# Altium PCB Atlas-Pi.PcbDoc (part 1 of 3) (continued)
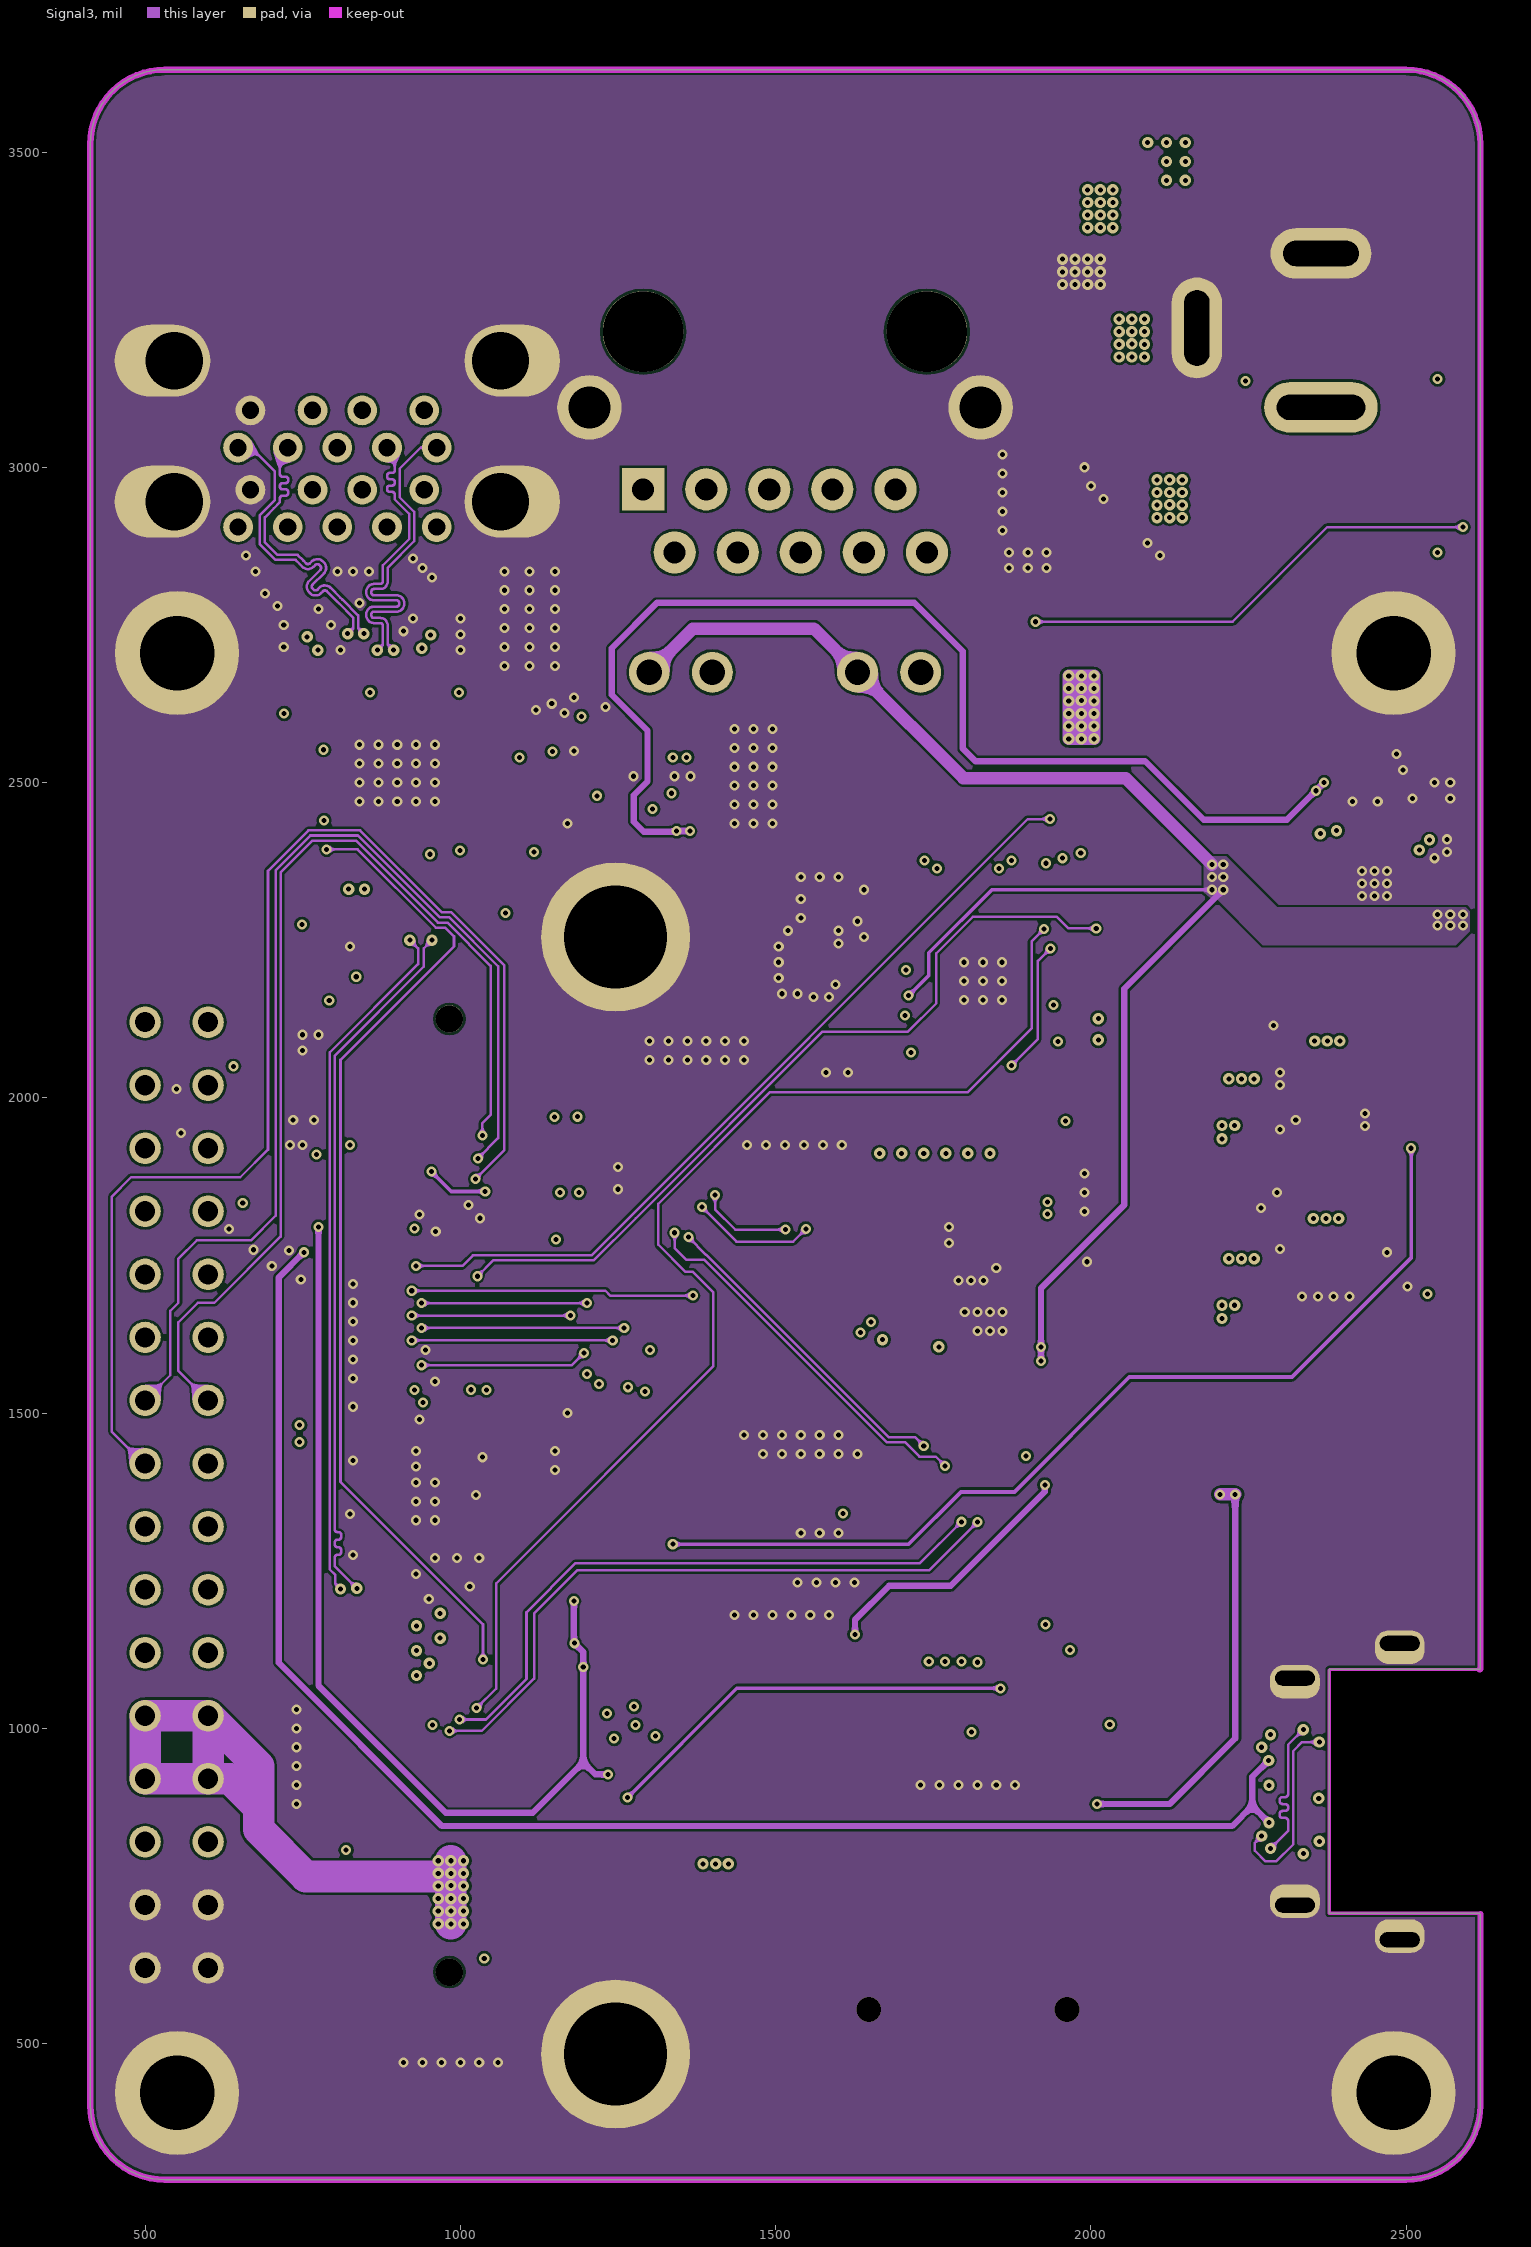
[diagram p3: Signal3]
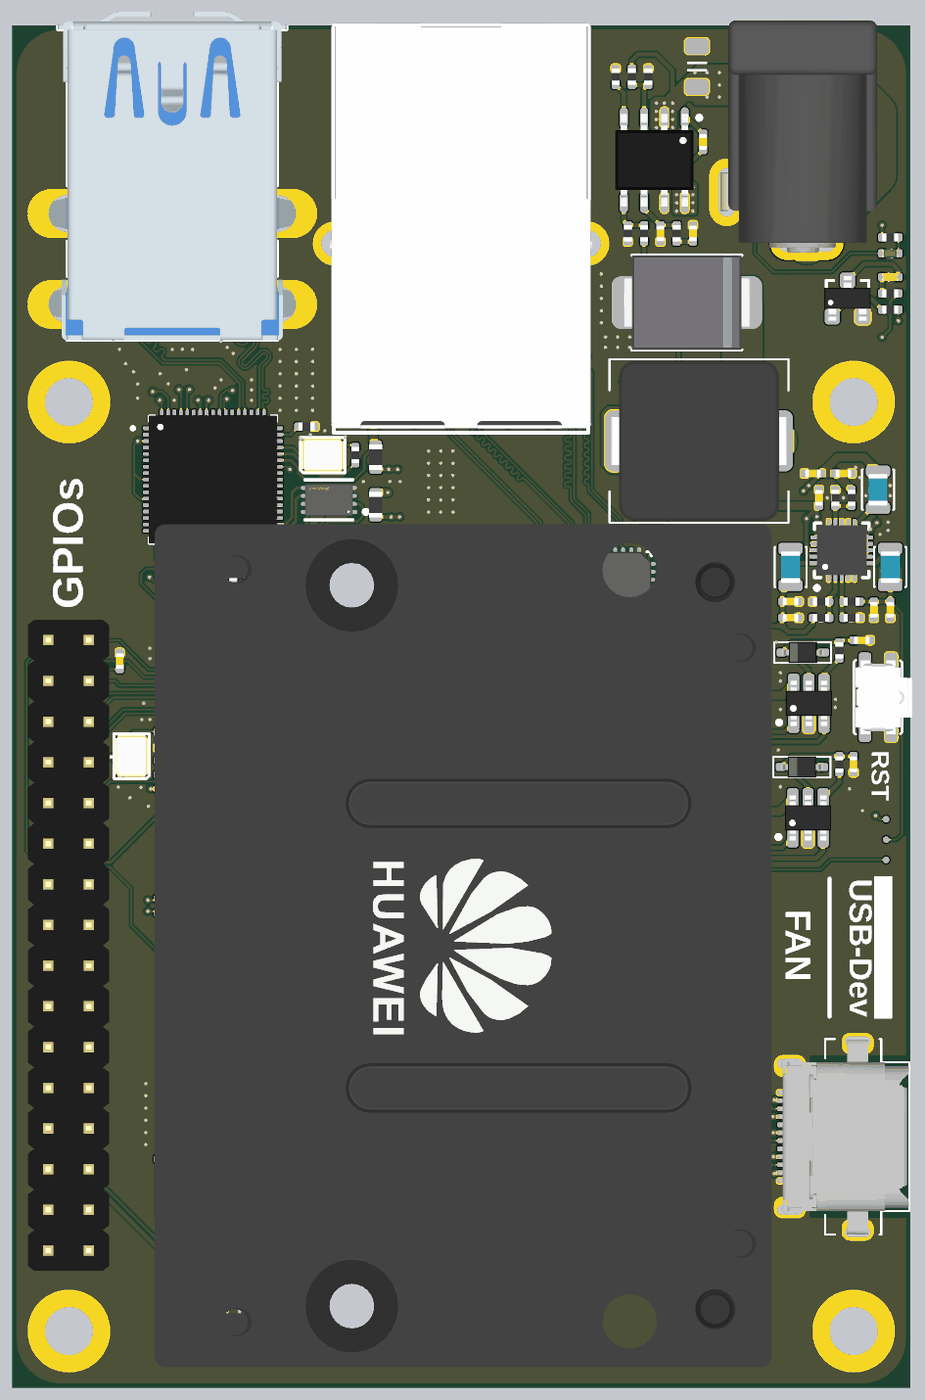
[diagram p6: 3D render of the assembled board from above, using the file's embedded part models]
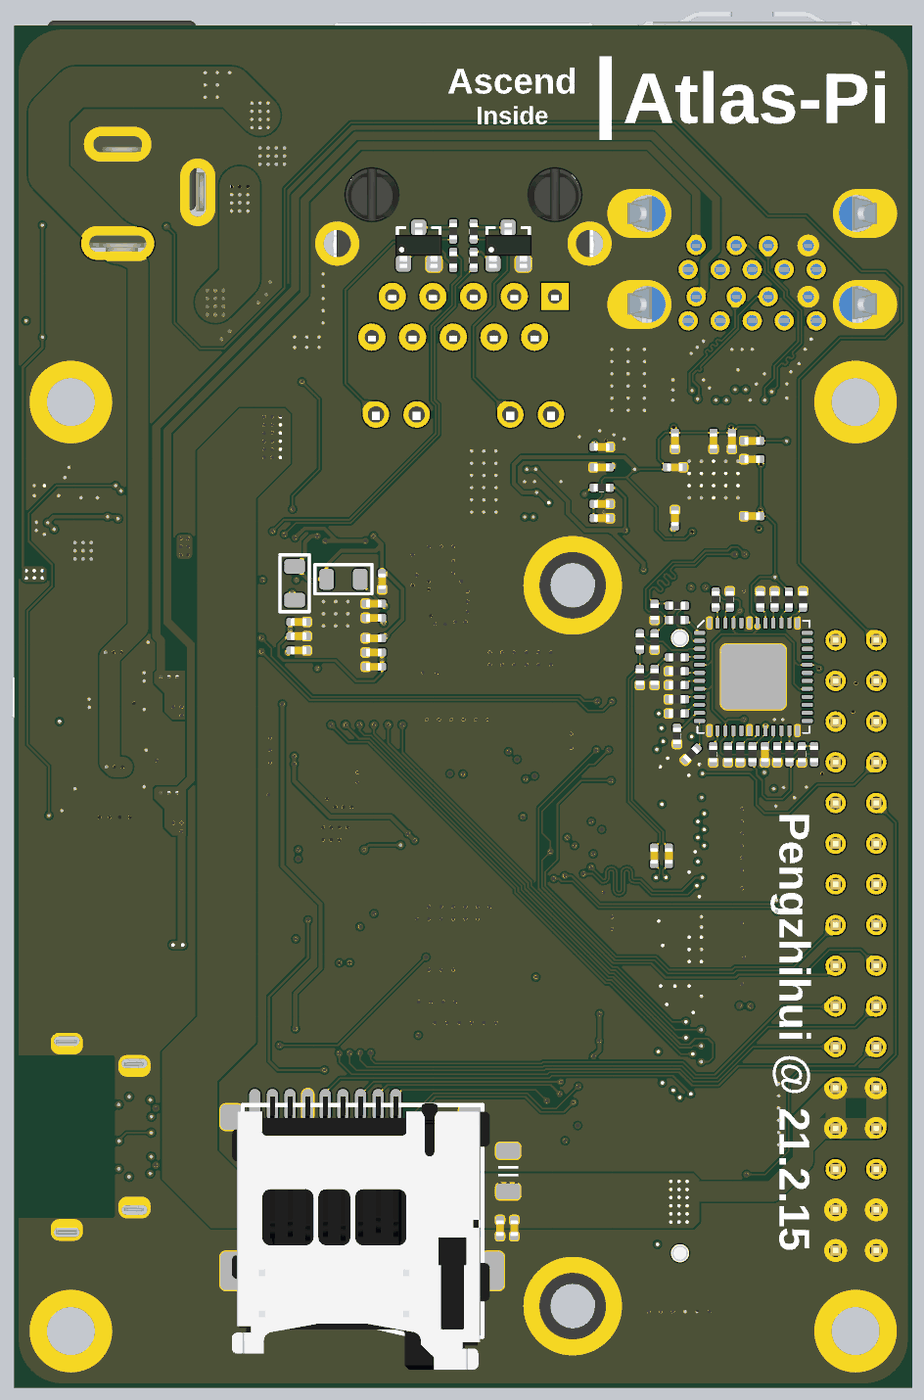
[diagram p7: 3D render of the assembled board from below, using the file's embedded part models]

## Layer stack, top to bottom
Top Solder: solder mask 0.4, Solder Resist, Dk 3.5
Top1: signal copper 1.4
Dielectric1: core 19.685, FR-4, Dk 4.2
Gnd2: signal copper 1.4169
Dielectric3: core 19.685, Dk 4.2
Signal3: signal copper 1.4169
Dielectric2: prepreg 19.685, Dk 4.2
Bottom4: signal copper 1.4
Bottom Solder: solder mask 0.4, Solder Resist, Dk 3.5

## Board outline
413.16,402.24 413.16,3512.47 cw(c531.27,3512.47) 531.27,3630.58 2499.77,3630.58 cw(c2499.77,3512.47) 2617.88,3512.47 2617.88,1094.46 2616.81,1093.39 2379.02,1093.39 2378.23,1092.6 2378.23,706.77 2616.02,706.77 2616.81,705.98 2617.88,704.91 2617.88,402.24 cw(c2499.77,402.24) 2499.77,284.13 531.27,284.13 cw(c531.27,402.24)

## Design rules (kind name [scope] priority, off if disabled: settings)
Clearance [All] p1: gap=4 ignorepadtopadclearanceinfootprint=FALSE except(0: Arc-Hole Track-Hole SMDPad-Hole THPad-Hole Via-Hole Fill-Hole Poly-Hole Region-Hole Text-Hole)
ComponentClearance [All] p1: gap=0 collisioncheckmode=3 verticalgap=0 showdistances=FALSE
DiffPairsRouting [All] p1: maxlimit=9 minlimit=4 mostfreqgap=4 toplayer_minwidth=4 toplayer_maxwidth=15 toplayer_prefwidth=15 midlayer1_minwidth=4 midlayer1_maxwidth=15 midlayer1_prefwidth=15 midlayer2_minwidth=4 midlayer2_maxwidth=15 midlayer2_prefwidth=15 bottomlayer_minwidth=4 bottomlayer_maxwidth=15 bottomlayer_prefwidth=15 maxuncoupledlength=500
FanoutControl Fanout_BGA [All] p1: bgadir=Out bgaviamode=Centered fanoutstyle=Auto fanoutdirection=Alternating viagrid=1 // Fanout_BGA (Default Rule)
HoleSize [All] p1: absolutevalues=TRUE maxlimit=10000 minlimit=8 maxpercent=80.000 minpercent=20.000
MinimumSolderMaskSliver [All] p1 off: minsoldermaskwidth=2
PlaneClearance [All] p1: clearance=8
PlaneConnect [All] p1: planeconnectstyle=Direct reliefexpansion=20 reliefentries=4 reliefconductorwidth=10 reliefairgap=10
PolygonConnect [All] p1: connectstyle=Direct reliefconductorwidth=10 reliefentries=4 polygonreliefangle="90 Angle" airgapwidth=10
RoutingVias [All] p1: holewidth=8 width=16 viastyle="Through Hole" minholewidth=6 minwidth=12 maxholewidth=28 maxwidth=50
SilkToSilkClearance [All] p1: silktosilkclearance=0
SilkToSolderMaskClearance [IsPad] p1: minsilkscreentomaskgap=0 clearancetoexposedcopper=TRUE
SolderMaskExpansion [All] p1: expansion=3 istentingtop=FALSE
Width GND [(InNet('AGND') OR InNet('GND'))] p1: maxlimit=50 minlimit=4 preferedwidth=10
Width VCC [(InNet('VDD_SYS_3.3V') OR InNet('VDD_AV_3.3V') OR InNet('VDD_5V') OR InNet('VDD1V2-SYS') OR InNet('VDD1V1-EPHY') OR InNet('VDD-CPUX') OR InNet('VDD-CPUS') OR InNet('VDD-CPUFB') OR InNet('VCC-DRAM'))] p2: maxlimit=50 minlimit=4 preferedwidth=10
Width [All] p3: maxlimit=10000 minlimit=4 preferedwidth=4
21 further rules are at their usual default settings.

## Classes and differential pairs
net class POWER: VCC_1V05 VCC_1V8 VCC_3V3 VIN VSYS_3V8
net class USB3-0: USB2_D_N USB2_D_P USB3_RX_N USB3_RX_P USB3_TX_N USB3_TX_P
net class GE: MDIO0_N MDIO0_P MDIO1_N MDIO1_P MDIO2_N MDIO2_P MDIO3_N MDIO3_P
net class USB3-2: SSRX2_N SSRX2_P SSTX2_N SSTX2_P USBHP2_N USBHP2_P
net class USB3-1: SSRX1_N SSRX1_P SSTX1_N SSTX1_P USBHP1_N USBHP1_P
net class PCIE: MINI_PCIE_CLK_N MINI_PCIE_CLK_P NetC65_2 NetC67_2 PCIE_RX0_N PCIE_RX0_P PCIE_TX0_N PCIE_TX0_P PHY_PCIE_CLK_N PHY_PCIE_CLK_P
component class GE-PHY: C25 C26 C27 C28 C29 C30 C31 C32 C33 C34 C35 C36 C37 C38 J2 R41 R42 R43 R44 R45 R46 R47 R48 R49 R50 R51 R52 R53 R54 R55 R56 R57 U6 VT2 VT3 Y1
component class PCIE-to-USB3: C39 C40 C41 C42 C43 C44 C45 C46 C47 C48 C49 C50 C51 C52 C53 C54 C55 C56 C57 C58 C59 C60 C61 C62 C63 C64 C65 C66 C67 C68 C69 C70 C71 C72 C73 D4 D5 D6 D7 J3 L5 L6 R58 R59 R60 R61 R62 R63 R64 R65 R66 R67 R68 R69 R70 R71 R72 R73 R74 R75 R76 R77 R78 R79 R80 R81 R82 R83 R84 R85 R86 R87 R88 R89 R90 R91 R92 R93 R94 R95 R96 R97 R98 R99 R100 U7 U8 U9 U10 U11 Y2 Y3
component class Main: C1 C2 C3 C4 C5 C6 C7 C8 C9 C10 C11 C12 C13 C14 C15 C16 C17 C18 C19 C20 C21 C22 C23 C24 CON1 D1 D2 D3 J1 K1 L1 L2 L3 L4 P1 P2 Q1 R1 R2 R3 R4 R5 R6 R7 R8 R9 R10 R11 R12 R13 R14 R15 R16 R17 R18 R19 R20 R21 R22 R23 R24 R25 R26 R27 R28 R29 R30 R31 R32 R33 R34 R35 R36 R37 R38 R39 R40 S1 T1 T2 T3 TF1 U1 U2 U3 U4 U5 VT1
differential pair PHY_PCIE_CLK: +PHY_PCIE_CLK_P -PHY_PCIE_CLK_N
differential pair MINI_PCIE_CLK: +MINI_PCIE_CLK_P -MINI_PCIE_CLK_N
differential pair MDIO3: +MDIO3_P -MDIO3_N
differential pair MDIO2: +MDIO2_P -MDIO2_N
differential pair MDIO1: +MDIO1_P -MDIO1_N
differential pair MDIO0: +MDIO0_P -MDIO0_N
differential pair USBHP2: +USBHP2_P -USBHP2_N
differential pair USBHP1: +USBHP1_P -USBHP1_N
differential pair USB3_TX: +USB3_TX_P -USB3_TX_N
differential pair USB3_RX: +USB3_RX_P -USB3_RX_N
differential pair USB2_D: +USB2_D_P -USB2_D_N
differential pair SSTX2: +SSTX2_P -SSTX2_N
differential pair SSTX1: +SSTX1_P -SSTX1_N
differential pair SSRX2: +SSRX2_P -SSRX2_N
differential pair SSRX1: +SSRX1_P -SSRX1_N
differential pair PCIE_TX0: +PCIE_TX0_P -PCIE_TX0_N
differential pair PCIE_RX0: +PCIE_RX0_P -PCIE_RX0_N

## Components (designator, comment, footprint, x,y, rotation, side; value= is the part's Value field where it differs from the comment)
C1 "0.1uF" CAP_0402 2110,3345 r90 top value=0.1u
C2 "100uF" 1206-CAP 1405,815 r270 bottom value=0.1u
C3 "10uF" CAP_0402 1425,675 r270 bottom value=0.1u
C4 "0.1uF" CAP_0402 1390,675 r270 bottom value=0.1u
C5 "100uF" 1206-CAP 2095,3530 r270 top value=0.1u
C6 "47pF" CAP_0402 2005,3120 r90 top value=0.1u
C7 "4.7nF" CAP_0402 2085,3120 r270 top value=0.1u
C8 "10uF" CAP_0402 2455,2530 r0 top value=0.1u
C9 "0.1uF" CAP_0402 2380,2530 r180 top value=0.1u
C10 "10uF" CAP_0402 2325,2215 r0 top value=0.1u
C11 "0.1uF" CAP_0402 2325,2175 r0 top value=0.1u
C12 "10uF" CAP_0402 2395,2470 r270 top value=0.1u
C13 "0.1uF" CAP_0402 790,1450 r180 top value=0.1u
C14 "0.1uF" CAP_0402 790,1485 r180 top value=0.1u
C15 "10uF" CAP_0402 2570,2195 r270 top value=0.1u
C16 "0.1uF" CAP_0402 2530,2195 r270 top value=0.1u
C17 "0.1uF" CAP_0402 1714,1746 r180 top value=0.1u
C18 "0.1uF" CAP_0402 1669,1534 r90 top value=0.1u
C19 "0.1uF" CAP_0402 1899,1366 r90 top value=0.1u
C20 "0.1uF" CAP_0402 1874,1066 r90 top value=0.1u
C21 "1uF" CAP_0402 1699,1066 r90 top value=0.1u
C22 "0.1uF" CAP_0402 1739,1534 r270 top value=0.1u
C23 "10uF" CAP_0402 1954,1066 r90 top value=0.1u
C24 "0.1uF" CAP_0402 1919,1066 r90 top value=0.1u
C25 "0.1uF" CAP_0402 1715,2265 r270 bottom value=0.1u
C26 "0.1uF" CAP_0402 1735,2210 r180 bottom value=0.1u
C27 "10uF" CAP_0402 1920,2095 r180 bottom value=0.1u
C28 "0.1uF" CAP_0402 1735,2125 r0 bottom value=0.1u
C29 "0.1uF" CAP_0402 1735,2090 r0 bottom value=0.1u
C30 "10uF" CAP_0402 1735,2055 r0 bottom value=0.1u
C31 "10uF" CAP_0402 1920,2165 r180 bottom value=0.1u
C32 "0.1uF" CAP_0402 1920,2130 r180 bottom value=0.1u
C33 "0.1uF" CAP_0402 1735,2175 r0 bottom value=0.1u
C34 "220nF" CAP_0402 1590,2105 r180 top value=0.1u
C35 "10uF" CAP_0402 2055,2220 r0 top value=0.1u
C36 "0.1uF" CAP_0402 2055,2185 r0 top value=0.1u
C37 "33pF" CAP_0402 1590,2140 r180 top value=0.1u
C38 "33pF" CAP_0402 1590,2290 r0 top value=0.1u
C39 "100pF" CAP_0402 2225,1915 r270 top value=0.1u
C40 "0.1uF" CAP_0402 2260,1915 r270 top value=0.1u
C41 "100pF" CAP_0402 2225,1630 r270 top value=0.1u
C42 "0.1uF" CAP_0402 2260,1630 r270 top value=0.1u
C43 "10uF" CAP_0402 1175,2455 r180 bottom value=0.1u
C44 "0.1uF" CAP_0402 1175,2420 r180 bottom value=0.1u
C45 "0.1uF" CAP_0402 2235,2130 r180 top value=0.1u
C46 "10uF" CAP_0402 2235,2095 r180 top value=0.1u
C47 "0.1uF" CAP_0402 2235,1845 r180 top value=0.1u
C48 "10uF" CAP_0402 2235,1810 r180 top value=0.1u
C49 "10uF" CAP_0402 2500,2120 r180 top value=0.1u
C50 "10uF" CAP_0402 2480,1815 r90 top value=0.1u
C51 "0.1uF" CAP_0402 995,2420 r270 bottom value=0.1u
C52 "0.1uF" CAP_0402 805,2425 r180 bottom value=0.1u
C53 "0.1uF" CAP_0402 805,2565 r180 bottom value=0.1u
C54 "1uF" CAP_0402 1025,2285 r270 top value=0.1u
C55 "0.1uF" CAP_0402 955,2285 r90 top value=0.1u
C56 "0.1uF" CAP_0402 920,2285 r90 top value=0.1u
C57 "0.1uF" CAP_0402 885,2285 r90 top value=0.1u
C58 "0.1uF" CAP_0402 805,2610 r180 bottom value=0.1u
C59 "0.1uF" CAP_0402 900,2610 r90 bottom value=0.1u
C60 "0.1uF" CAP_0402 855,2610 r90 bottom value=0.1u
C61 "0.1uF" CAP_0402 995,2610 r90 bottom value=0.1u
C62 "0.1uF" CAP_0402 995,2545 r0 bottom value=0.1u
C63 "0.1uF" CAP_0402 850,2285 r90 top value=0.1u
C64 "0.1uF" CAP_0402 815,2285 r90 top value=0.1u
C65 "10nF" CAP_0402 1046,1590 r90 bottom value=0.1u
C66 "0.1uF" CAP_0402 774,1840 r90 bottom value=0.1u
C67 "10nF" CAP_0402 1010,1590 r90 bottom value=0.1u
C68 "18pF" CAP_0402 1175,2595 r0 bottom value=0.1u
C69 "18pF" CAP_0402 1175,2545 r180 bottom value=0.1u
C70 "0.1uF" CAP_0402 676,2069 r270 top value=0.1u
C71 "0.1uF" CAP_0402 810,1875 r90 top value=0.1u
C72 "0.1uF" CAP_0402 820,2140 r90 top value=0.1u
C73 "0.1uF" CAP_0402 780,2140 r90 top value=0.1u
CON1 "PowerJack_2.5" KLD_0202 2365,3634.37 r270 top
D1 "B560C-13-F" DO-214AB-SMC 2070,2950 r180 top locked
D2 "color?" LED_0402_ORANGE 2570,3012.5 r0 top
D3 "color?" LED_0402_GREEN 2570,3071 r180 top
D4 "二极管-5B5817WS" SOD-323 2160,2030 r270 top
D5 "二极管-5B5817WS" SOD-323 2160,1750 r270 top
D6 "二极管-5B5817WS" SOD-323 2355,2090 r180 top
D7 "二极管-5B5817WS" SOD-323 2353,1808.5 r180 top
J1 "USB-TYPE-C-TE" "USB TYPE C TE" 2331.38,899.69 r90 top
J2 "WE_7499110124" GE-SOCKET 1515,2944.92 r0 top
J3 "USB 3.0 Type A Receptacle" 692141030100 805,3245 r180 top
K1 "TACT 4P" ButtonTACT_3.5*3.55_90 2540,1980 r270 top value=3.4x3.5
L1 "10uH" IND_1040 2100,2610 r180 top locked
L2 "2.2uH" 2520-L 2540,2490 r90 top
L3 "2.2uH" 2520-L 2325,2300 r270 top
L4 "2.2uH" 2520-L 2570,2300 r270 top
L5 "6.8uH" IND-201612 2235,2015 r90 top
L6 "6.8uH" IND-201612 2235,1730 r90 top
P1 "HDR2x16_2.54" HDR2X16_2.54_180 500,2120 r0 top
P2 "HDR1x3_1.25" "接插件 3P" 2192.06,1514.84 r270 top
Q1 "AO3415A" SOT23-3 2049,1686 r180 top
R1 "45K" RES_0402 1965,3120 r270 top value=22R
R2 "2.2K" RES_0402 2055,2150 r180 top value=22R
R3 "2K" RES_0402 1175,825 r180 top value=22R
R4 "442K" RES_0402 1935,3505 r90 top value=22R
R5 "10K" RES_0402 790,845 r0 top value=22R
R6 "12K" RES_0402 1925,3120 r90 top value=22R
R7 "16.9K" RES_0402 2045,3120 r90 top value=22R
R8 "90.9K" RES_0402 1975,3505 r270 top value=22R
R9 "243K" RES_0402 1895,3505 r270 top value=22R
R10 "100R" RES_0402 1175,930 r0 top value=22R
R11 "100R" RES_0402 1175,895 r0 top value=22R
R12 "100R" RES_0402 1175,860 r0 top value=22R
R13 "10K" RES_0402 1175,1045 r0 top value=22R
R14 "75K" RES_0402 2475,2470 r90 top value=22R
R15 "200K" RES_0402 2400,2175 r180 top value=22R
R16 "100K" RES_0402 2435,2470 r270 top value=22R
R17 "100K" RES_0402 2400,2215 r0 top value=22R
R18 "510K" RES_0402 2475,2215 r0 top value=22R
R19 "110K" RES_0402 2475,2175 r180 top value=22R
R20 "0R" RES_0402 1175,1705 r180 top value=22R
R21 "0R" RES_0402 1175,1740 r180 top value=22R
R22 "30K" RES_0402 790,1755 r180 top value=22R
R23 "2K" RES_0402 790,1790 r180 top value=22R
R24 "2K" RES_0402 790,1825 r180 top value=22R
R25 "200K" RES_0402 1704,1534 r90 top value=22R
R26 "10K" RES_0402 1799,1482 r90 top value=22R
R27 "10K" RES_0402 1835,1482 r90 top value=22R
R28 "10K" RES_0402 1839,1066 r90 top value=22R
R29 "10K" RES_0402 1804,1066 r90 top value=22R
R30 "10K" RES_0402 1769,1066 r90 top value=22R
R31 "10K" RES_0402 1734,1066 r90 top value=22R
R32 "1K" RES_0402 1871,1482 r90 top value=22R
R33 "1K" RES_0402 1664,1066 r270 top value=22R
R34 "10K" RES_0402 1714,1781 r180 top value=22R
R35 "1K" RES_0402 2570,2972.5 r180 top value=22R
R36 "1K" RES_0402 2570,3110 r0 top value=22R
R37 "1K" RES_0402 2570,2932.5 r180 top value=22R
R38 "1K" RES_0402 2100,1593 r0 top value=22R
R39 "33R" RES_0402 2024,1066 r90 top value=22R
R40 "10K" RES_0402 1989,1066 r90 top value=22R
R41 "330R" RES_0402 1490,3125 r90 bottom value=22R
R42 "1K" RES_0402 1540,3055 r270 bottom value=22R
R43 "1K" RES_0402 1490,3055 r90 bottom value=22R
R44 "330R" RES_0402 1540,3125 r90 bottom value=22R
R45 "MGLB2012_220T_LF" 0805-L 2085,2350 r180 top value=22R
R46 "4.99K 1%" RES_0402 1590,2325 r180 top value=22R
R47 "MGLB2012_220T_LF" 0805-L 1810,2270 r0 bottom value=22R
R48 "33R" RES_0402 1770,1955 r270 top value=22R
R49 "33R" RES_0402 1665,1955 r270 top value=22R
R50 "33R" RES_0402 1700,1955 r270 top value=22R
R51 "33R" RES_0402 1735,1955 r270 top value=22R
R52 "33R" RES_0402 1805,1955 r270 top value=22R
R53 "33R" RES_0402 1840,1955 r270 top value=22R
R54 "10K" RES_0402 2055,2290 r180 top value=22R
R55 "MGLB2012_220T_LF" 0805-L 1930,2260 r90 bottom value=22R
R56 "10K" RES_0402 2055,2255 r180 top value=22R
R57 "1M(NC)" RES_0402 1535,2215 r270 top value=22R
R58 "BLM18PG300SN1D" 0603-RES 1305,2570 r270 top value=22R
R59 "BLM18PG300SN1D" 0603-RES 1305,2453 r90 top value=22R
R60 "10K" RES_0402 2190,1915 r90 top value=22R
R61 "10K" RES_0402 2190,1630 r90 top value=22R
R62 "1.8K" RES_0402 2155,1915 r270 top value=22R
R63 "1.8K" RES_0402 2155,1630 r270 top value=22R
R64 "1M" RES_0402 2445,2095 r270 top value=22R
R65 "1M" RES_0402 2445,1815 r270 top value=22R
R66 "10K" RES_0402 990,2285 r270 top value=22R
R67 "1K" RES_0402 653,1840 r270 bottom value=22R
R68 "100R" RES_0402 804.25,1840 r270 bottom value=22R
R69 "33R" RES_0402 990,2170 r180 bottom value=22R
R70 "10K" RES_0402 1175,1115 r180 top value=22R
R71 "10K" RES_0402 780,2285 r90 top value=22R
R72 "33R" RES_0402 990,2205 r180 bottom value=22R
R73 "1K" RES_0402 785,2220 r90 bottom value=22R
R74 "33R" RES_0402 1081,2117 r90 bottom value=22R
R75 "1K" RES_0402 750,2220 r90 bottom value=22R
R76 "33R" RES_0402 990,2078 r180 bottom value=22R
R77 "1K" RES_0402 683.25,1840 r90 bottom value=22R
R78 "100R" RES_0402 770,1876 r90 top value=22R
R79 "1K" RES_0402 990,2044 r180 bottom value=22R
R80 "1K" RES_0402 990,2010 r180 bottom value=22R
R81 "49.9R" RES_0402 1045,2117 r270 bottom value=22R
R82 "49.9R" RES_0402 1045,2190 r270 bottom value=22R
R83 "49.9R" RES_0402 1081,2030 r270 bottom value=22R
R84 "49.9R" RES_0402 1045,2030 r270 bottom value=22R
R85 "1K" RES_0402 834.5,1840 r270 bottom value=22R
R86 "1K" RES_0402 990,1975 r180 bottom value=22R
R87 "1K" RES_0402 743.75,1840 r270 bottom value=22R
R88 "1K" RES_0402 990,1940 r180 bottom value=22R
R89 "1K" RES_0402 990,1885 r90 bottom value=22R
R90 "1K" RES_0402 955,1840 r135 bottom value=22R
R91 "1K" RES_0402 864.75,1840 r270 bottom value=22R
R92 "10K" RES_0402 1175,2495 r0 bottom value=22R
R93 "1K" RES_0402 860,2220 r90 bottom value=22R
R94 "6.04K 1%" RES_0402 1135,2645 r180 top value=22R
R95 "1K" RES_0402 901,1840 r90 bottom value=22R
R96 "4.7K" RES_0402 895,2220 r270 bottom value=22R
R97 "1M(NC)" RES_0402 1255,2575 r90 top value=22R
R98 "4.7K" RES_0402 713.5,1840 r90 bottom value=22R
R99 "4.7K" RES_0402 715,2220 r270 bottom value=22R
R100 "475R" RES_0402 680,2220 r270 bottom value=22R
S1 "Core" ATLAS-200 982.64,1369.21 r90 top locked
T1 "测试点" TEST_PT 2560,1580 r0 top